# Altium PCB RFM_Temperature_1.0.0.PcbDoc
Units mil, origin at the board's own origin, x right, y up, seen from the top; angles counter-clockwise.
Board outline 826.77 x 3062.99 mil, 2 copper layers (L1, L4), stack 57.952 mil thick; 23 components, 18 nets, 98 pads, 23 vias.
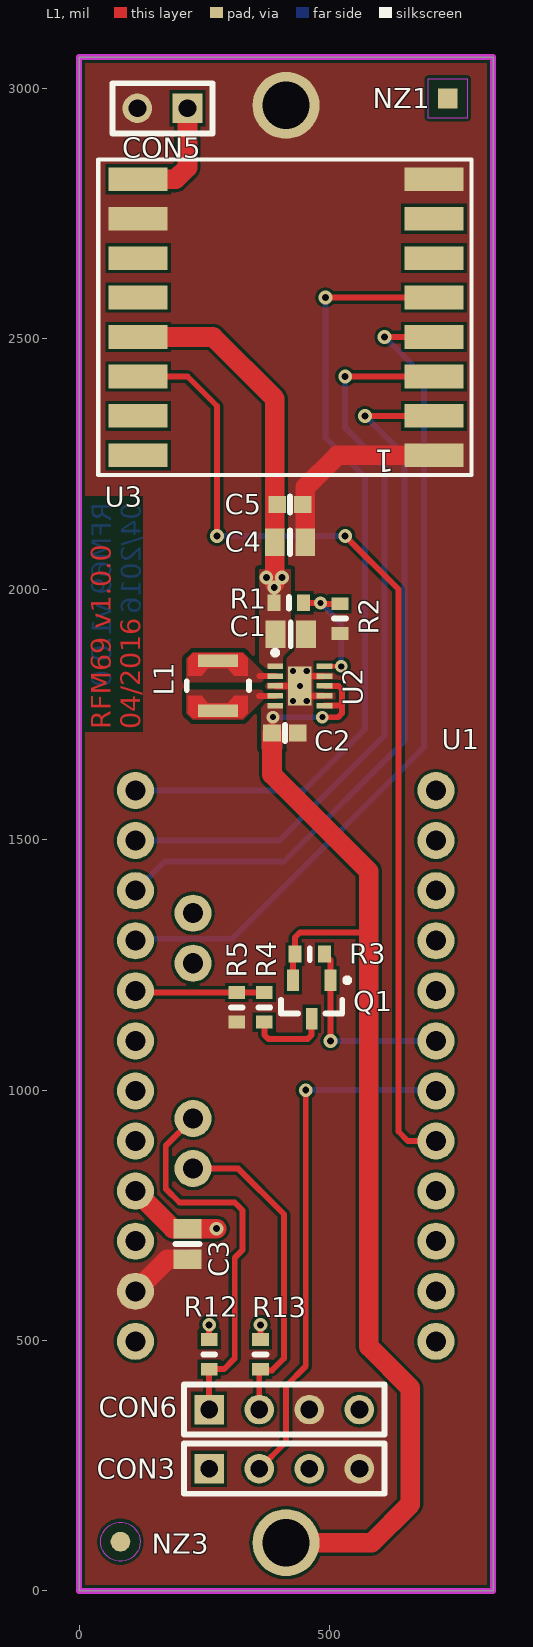
[diagram p0: L1 view]
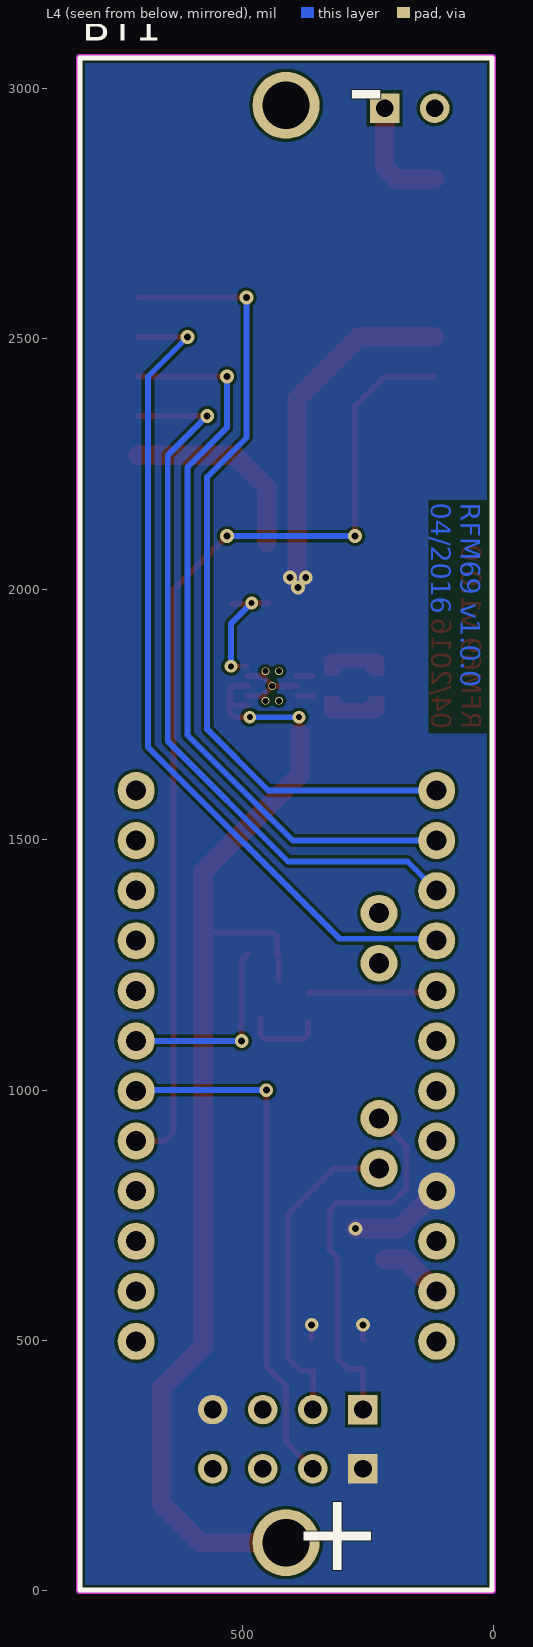
[diagram p1: L4 view, seen from below]
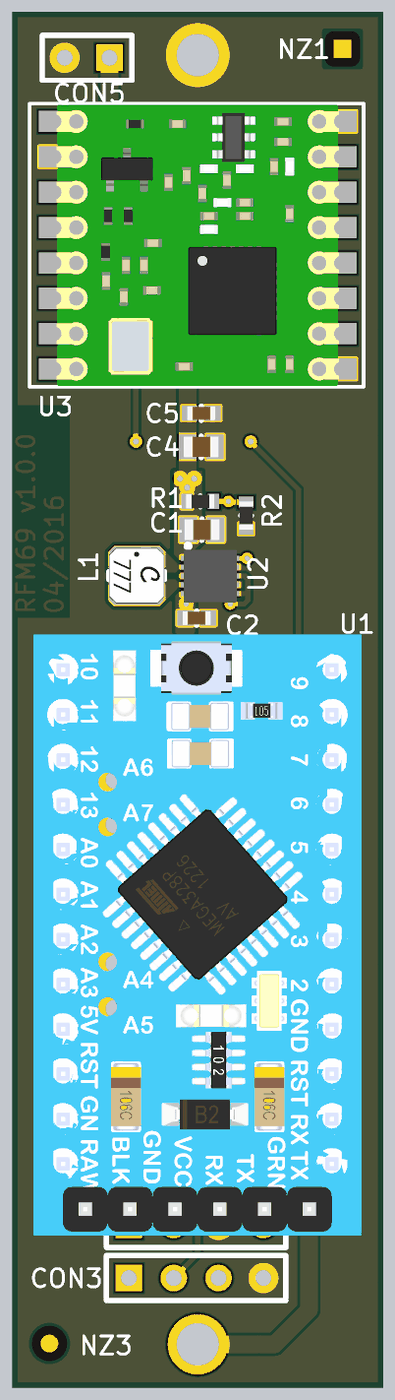
[diagram p2: 3D render of the assembled board from above, using the file's embedded part models]

## Layer stack, top to bottom
Top Solder: solder mask 0.787, Solder Resist, Dk 3.5
L1: signal copper 1.4169
Dielectric 1: core 55.1181, IS400, Dk 4.2
L4: signal copper 1.4169
Bottom Solder: solder mask 0.787, Solder Resist, Dk 3.5

## Board outline
0,0 0,3062.99 826.77,3062.99 826.77,0

## Design rules (kind name [scope] priority, off if disabled: settings)
AssemblyTestPointUsage SilkToBoardRegionClearance_1 [All] p2:
AssemblyTestPointUsage SilkToBoardRegionClearance_2 [All] p3:
Clearance [All] p1: gap=6 except(7.87: Poly-Poly)
ComponentClearance ComponentClearance_Battery [All vs InComponent('BT1')] p1: gap=0 collisioncheckmode=3 verticalgap=0 showdistances=FALSE
ComponentClearance [All] p2: gap=10 collisioncheckmode=3 verticalgap=10 showdistances=FALSE
HoleSize [All] p1: absolutevalues=TRUE maxlimit=250 minlimit=11.81 maxpercent=80.000 minpercent=20.000
MatchedLengths DiffPair_DIFF100MatchedLengths [InDifferentialPairClass('DIFF100')] p1: tolerance=6 checknetsindiffpair=TRUE checkdiffpairvsdiffpair=FALSE checkxsignals=FALSE checkothers=FALSE
MinimumSolderMaskSliver [All] p1: minsoldermaskwidth=3.94
MinimumSolderMaskSliver SilkscreenOverComponentPads_2 [All] p2: minsoldermaskwidth=10
MinimumSolderMaskSliver SilkToSolderMaskClearance_1 [IsPad] p3: minsoldermaskwidth=10
MinimumSolderMaskSliver SilkscreenOverComponentPads_1 [All] p4: minsoldermaskwidth=10
MinimumSolderMaskSliver SilkToSolderMaskClearance [IsPad] p5: minsoldermaskwidth=10
MinimumSolderMaskSliver SilkscreenOverComponentPads [All] p6: minsoldermaskwidth=10
PolygonConnect [All] p1: connectstyle=Direct reliefconductorwidth=10 reliefentries=4 polygonreliefangle="90 Angle" airgapwidth=10
RoutingVias [All] p1: holewidth=12 width=25 viastyle="Through Hole" minholewidth=12 minwidth=25 maxholewidth=28 maxwidth=50
SilkToSolderMaskClearance SilkToSolderMaskClearance_2 [IsPad] p1: minsilkscreentomaskgap=10 clearancetoexposedcopper=TRUE
SolderMaskExpansion [All] p1: expansion=4
Width [All] p1: maxlimit=100 minlimit=6 preferedwidth=10
26 further rules are at their usual default settings.

## Classes and differential pairs
differential pair class DIFF100: CH1_TRX0 CH1_TRX1 CH1_TRX2 CH1_TRX3 CH2_TRX0 CH2_TRX1 CH2_TRX2 CH2_TRX3 CLK1 DRAM_SDCKL0 DRAM_SDCKL1 DRAM_SDQS0 DRAM_SDQS1 DRAM_SDQS2 DRAM_SDQS3 DRAM_SDQS4 DRAM_SDQS5 DRAM_SDQS6 DRAM_SDQS7 HDMI_CLK HDMI_D0 HDMI_D1 HDMI_D2 HDMI_OUT_CLK HDMI_OUT_D0 HDMI_OUT_D1 HDMI_OUT_D2 PCIE_REFCLK
differential pair class DIFF90: PCIE_CRX PCIE_CTX PCIE_RX PCIE_TX USB_HOST_D USB_OTG_D
net class "Power Net": NetL1_1 NetL1_2 VCC_3V3 VCC_BAT

## Components (designator, comment, footprint, x,y, rotation, side; value= is the part's Value field where it differs from the comment)
BT1 "BH-18650" BH18650 413.39,1531.5 r90 bottom locked
C1 "10u/10V" C-0805 422.85,1910.09 r180 top
C2 "2.2uF/16V/X5R" C-0603 411.04,1713.24 r180 top
C3 "10u/10V" C-0805 216.54,692.91 r90 top
C4 "10u/10V" C-0805 421.26,2094.49 r180 top
C5 "100nF/16V" C-0603 421.26,2169.29 r180 top
CON3 "PAD1G04" HDR1X04S 259.84,244.09 r0 top
CON5 "PAD1G02" HDR1X02S 216.54,2960.63 r180 top
CON6 "PAD1G04" HDR1X04S 259.84,362.2 r0 top
L1 "LPS3015-152MRC" LPS3015 277.18,1807.72 r270 top
NZ1 "Fiducial Rectangle" "Fiducial Rectangle" 736.22,2980.31 r0 top
NZ3 "Fiducial Circle" "Fiducial Circle" 82.68,98.43 r90 top
Q1 "FDV304P" SOT23-3L 464.57,1181.1 r270 top
R1 "887k 1%" R-0603 418.92,1973.08 r180 top
R2 "100k 1%" R-0603 521.28,1941.58 r90 top
R3 "100k 1%" R-0603 460.63,1271.65 r180 top
R4 "887k 1%" R-0603 370.08,1165.35 r270 top
R5 "100k 1%" R-0603 314.96,1165.35 r90 top
R12 "2.2k" R-0603 259.84,472.44 r90 top
R13 "2.2k" R-0603 362.2,472.44 r90 top
U1 "Arduino-Pro-Mini" "Arduino Mini Pro" 712.6,1598.43 r180 top locked
U2 "TPS63030DSK" DSK10-2000X1200TP_V 440.94,1807.09 r0 top
U3 "RFM69HCW" RFM69HCW-XXXS2 413.39,2543.31 r180 top locked

## Footprints (in the part's own frame and the unit in brackets; to place one, negate y for a bottom-side part, rotate by r counter-clockwise, add the part's x,y. Pads: shape width x height; smd on the part's side, far side on the other; paste and mask are expansions set on the pad)
"Arduino Mini Pro" [mil]
  round 74 hole 40: 1(0,0) 2(0,100) 3(0,200) 4(0,300) 5(0,400) 6(0,500) 7(0,600) 8(0,700) 9(0,800) 10(0,900) 11(0,1000) 12(0,1100) 19(600,1100) 20(600,1000) 21(600,900) 22(600,800) 23(600,700) 24(600,600) 25(600,500) 26(600,400) 27(600,300) 28(600,200) 29(600,100) 30(600,0) 31(485,755) 32(485,655) 33(485,345) 34(485,245)
  body extent -66,-79 666,1260, height 488
BH18650 [mm]
  round 3.4 hole 2.4 paste-2: 1(-36.45,0) 2(36.45,0)
  silkscreen extent -38.85,-10.45 38.85,10.45
C-0603 [mm]
  rect 0.9x0.85 smd: 1(-0.65,0) 2(0.65,0)
  silkscreen extent 0,-0.4 0,0.4, body extent -0.8,-0.4 0.8,0.4, height 0.8
C-0805 [mm]
  rect 1x1.4 smd: 1(-0.775,0) 2(0.775,0)
  silkscreen extent 0,-0.6 0,0.6, body extent -1,-0.6 1,0.6, height 1.2
DSK10-2000X1200TP_V [mm] "SON, 10-Leads, Body 2.5x2.5mm, Pitch 0.5mm, Thermal Pad 2x1.2 mm"
  rect 0.8x0.28 smd: 1(-1.25,1) 2(-1.25,0.5) 3(-1.25,0) 4(-1.25,-0.5) 5(-1.25,-1) 6(1.25,-1) 7(1.25,-0.5) 8(1.25,0) 9(1.25,0.5) 10(1.25,1)
  rect 1.2x2 smd paste-2: 11(0,0)
  silkscreen extent -1.38,1.57 -1.12,1.82, body extent -1.5,-1.5 1.5,1.5, height 0.9
"Fiducial Circle" [mm]
  round 1 smd paste-0.75 mask+0.5: 0(0,0)
  L1 keep-out region: 0,1 0.434,0.901 0.782,0.623 0.975,0.223 0.975,-0.223 0.782,-0.623 0.434,-0.901 0,-1 0,-1 -0.434,-0.901 -0.782,-0.623 -0.975,-0.223 -0.975,0.223 -0.782,0.623 -0.434,0.901 0,1
"Fiducial Rectangle" [mm]
  rect 1x1 smd paste-0.75 mask+0.5: 0(0,0)
  L1 keep-out region: -1,1 1,1 1,-1 -1,-1
HDR1X02S [mm] "Connector; Header; 2 Position"
  rect 1.5x1.5 hole 0.9: 1(0,0)
  round 1.5 hole 0.9: 2(2.54,0)
  silkscreen extent -1.27,-1.27 3.81,1.27
HDR1X04S [mm] "Connector; Header; 4 Position"
  rect 1.5x1.5 hole 0.9: 1(0,0)
  round 1.5 hole 0.9: 2(2.54,0) 3(5.08,0) 4(7.62,0)
  silkscreen extent -1.27,-1.27 8.89,1.27
LPS3015 [mil]
  rect 25x80 smd: 1(-50,0) 2(50,0)
  L1 region: -65,-50 -55,-60 -20,-60 -20,-32.5 -35,-20 -35,20 -20,32.5 -20,60 -55,60 -65,50
  L1 region: 65,-50 55,-60 20,-60 20,-32.5 35,-20 35,20 20,32.5 20,60 55,60 65,50
  silkscreen extent -9,-62 9,62, body extent -62,-62 62,62, height 59
R-0603 [mm]
  rect 0.65x0.85 smd: 1(-0.75,0) 2(0.75,0)
  silkscreen extent 0,-0.3 0,0.3, body extent -0.8,-0.4 0.8,0.4, height 0.4
RFM69HCW-XXXS2 [mm] "RFM69HCW-XXXS2"
  rect 3x1.2 smd: 1(-7.5,7) 2(-7.5,5) 3(-7.5,3) 4(-7.5,1) 5(-7.5,-1) 6(-7.5,-3) 7(-7.5,-5) 8(-7.5,-7) 9(7.5,-7) 10(7.5,-5) 11(7.5,-3) 12(7.5,-1) 13(7.5,1) 14(7.5,3) 15(7.5,5) 16(7.5,7)
  silkscreen extent -9.4,-8 9.53,8, body extent -8,-7.95 8,7.95, height 2.29
SOT23-3L [mm] "SOT23, 3-Leads, Body 2,90x2,48mm, Pitch 0,95mm, IPC High Density"
  rect 1.1x0.6 smd: 1(-0.975,0.95) 2(-0.975,-0.95) 3(0.975,0)
  silkscreen extent -1.1,-1.55 0.71,1.93, body extent -1.17,-1.46 1.17,1.46, height 1

## Part data
C1 C3 C4: library part CMP-00295-1, "SMD Ceramic Capacitor 0805 10u/10V"
C2: library part CMP-00265-1, "SMD Ceramic Capacitor 0603 2.2uF/16V/X5R"
C5: library part CMP-00250-1, "SMD Ceramic Capacitor 0603 100nF/16V"
CON3 CON6: library part CMP-00006-3, "1x4pin single row pads, 2.54mm"
CON5: library part CMP-00005-1, "1x2pin single row pads, 2.54mm"
L1: library part CMP-00325-2, "Shielded inductor 1.5uH/1.3A 3x3mm"
NZ1: library part CMP-00041-2
NZ3: library part CMP-00042-3
Q1: library part CMP-00186-2, "P-Channel Digital FET 25V, 460mA"
R1 R4: library part CMP-00324-1, "SMD Resistor 0603 887k 1%"
R2 R3 R5: library part CMP-00033-2, "SMD Resistor 0603 100k 1%"
R12 R13: library part CMP-00080-2, "SMD Resistor 0603 2k2"
U2: library part CMP-00323-3, "High Efficient Single Inductor Buck-Boost Converter with 1-A Switches"

## Via types
v1: diameter 27.56, hole 13.78, L1 to L4, 14 vias
v2: diameter 15.75, hole 12.01, L1 to L4, 5 vias
v3: diameter 25.59, hole 12.01, L1 to L4, 4 vias

## Nets (pads, with @x,y where several pads share a name; then routed paths per layer and width w, separated by ;. In a path a pad name is that pad's centre, name@x,y a point inside that pad or via, vN(x,y) a via of type N, cw(c..) or ccw(c..) an arc to the next point about the centre after c; other vN are vias at no path point)
ADC: R4.1 R5.2 U1.26 | length 258.9
  L1 w11.81: U1.26 116.14,1194.88 R5.2 R4.1
GND: BT1.2 C1.1 C2.1 C3.1 C4.1 C5.1 CON3.4 CON5.2 CON6.3 R2.1 R5.1 U1.20 U2.3 U2.7 U2.9 U2.11 U3.1 U3.8 U3.10 | length 687
  L1 w11.81: U2.3 v2(440.94,1807.09) ; U2.7 460.63,1787.4 v2(440.94,1807.09) ; U2.9 460.63,1826.77 v2(440.94,1807.09)
  L1 w39.37: U1.20 176.57,662.4 C3.1 ; C4.1 451.77,2203.74 515.75,2267.72 U3.1
  other v2: 427.17,1777.56 454.72,1777.56 427.17,1836.61 454.72,1836.61
MEAS_EN: Q1.1 R3.1 U1.6 | length 388.8
  L1 w11.81: R3.1 501.97,1259.84 Q1.1 v1(501.97,1098.43)
  L4 w11.81: v1(501.97,1098.43) U1.6
NetCON5_1: CON5.1 U3.9 | length 226.3
  L1 w39.37: U3.9 192.91,2818.9 216.54,2842.52 CON5.1
NetL1_1: L1.1 U2.2 | length 31.2
  L1 w11.81: 360.5,1826.77 U2.2
NetL1_2: L1.2 U2.4 | length 32.5
  L1 w11.81: 359.22,1787.4 U2.4
NetQ1_3: Q1.3 R4.2 | length 159.1
  L1 w11.81: R4.2 370.08,1110.24 377.95,1102.36 456.69,1102.36 464.57,1110.24 Q1.3
NetR1_1: R1.1 R2.2 U2.10 | length 251
  L1 w9.84: U2.10 v3(523.62,1846.46)
  L1 w11.81: R1.1 v3(481.91,1973.08) 483.88,1971.11 R2.2
  L4 w11.81: v3(481.91,1973.08) 523.62,1931.36 v3(523.62,1846.46)
RFM_INT: U1.8 U3.14 | length 2013.3
  L1 w11.81: U3.14 216.54,2425.2 275.59,2366.14 v1(275.59,2106.3) ; v1(531.5,2106.3) 637.8,2000 637.8,917.32 656.69,898.43 U1.8
  L4 w11.81: v1(275.59,2106.3) v1(531.5,2106.3)
RFM_MISO: U1.28 U3.2 | length 1480.6
  L1 w11.81: v1(570.87,2346.46) U3.2
  L4 w11.81: U1.28 170.87,1456.69 409.45,1456.69 649.61,1696.85 649.61,2267.72 v1(570.87,2346.46)
RFM_MOSI: U1.29 U3.3 | length 1511
  L1 w11.81: v1(531.5,2425.2) U3.3
  L4 w11.81: U1.29 400,1498.43 610.24,1708.66 610.24,2244.09 531.5,2322.83 v1(531.5,2425.2)
RFM_MSCL: U1.27 U3.4 | length 1688.7
  L1 w11.81: v1(610.24,2503.94) U3.4
  L4 w11.81: U1.27 112.6,1302.33 306.27,1302.33 688.98,1685.04 688.98,2425.2 v1(610.24,2503.94)
RFM_NSS: U1.30 U3.5 | length 1620.2
  L1 w11.81: v1(492.13,2582.68) U3.5
  L4 w11.81: U1.30 448.82,1598.43 570.87,1720.47 570.87,2224.41 492.13,2303.15 v1(492.13,2582.68)
SCL: CON6.2 R13.1 U1.31 | length 645
  L1 w11.81: U1.31 317.99,843.43 409.45,751.97 409.45,464.57 385.43,440.55 359.84,440.55 CON6.2
SDA: CON6.1 R12.1 U1.32 | length 776.9
  L1 w11.81: U1.32 173.23,889.06 173.23,803.15 200.79,775.59 311.02,775.59 326.77,759.84 326.77,681.1 311.02,665.35 311.02,464.57 289.37,442.91 R12.1 CON6.1
TEMP_HUM: CON3.2 U1.7 | length 1054.9
  L1 w11.81: CON3.2 413.39,297.64 413.39,409.45 452.76,448.82 v1(452.76,1000)
  L4 w11.81: v1(452.76,1000) 711.02,1000 U1.7
VCC_3V3: C1.2 C3.2 C4.2 C5.2 CON3.1 CON6.4 R1.2 R12.2 R13.2 U1.22 U2.1 U3.13 | length 943.8
  L1 w11.81: R12.2 v1(259.84,531.5) ; R13.2 v1(362.2,531.5)
  L1 w39.37: U1.22 187.6,723.43 C3.2 v1(274.61,723.43) ; U3.13 267.72,2503.94 390.75,2380.91 C4.2 v1@390.75,2012.8
  other v1: 389.76,2003.94 374.02,2023.62 405.51,2023.62
VCC_BAT: BT1.1 C2.2 Q1.2 R3.2 U2.5 U2.6 U2.8 | length 2434.8
  L1 w11.81: Q1.2 427.17,1267.72 R3.2 431.1,1305.12 440.94,1314.96 578.74,1314.96 ; v3(485.84,1744.73) 517.34,1744.73 525.21,1752.61 525.21,1768.35 ; U2.6 524.58,1767.72 525.21,1768.35 ; U2.8 517.98,1807.09 525.21,1799.85 525.21,1768.35
  L1 w39.37: C2.2 385.45,1630.3 578.74,1437.01 578.74,1314.96 578.74,488.19 661.42,405.51 661.42,173.23 584.65,96.46 BT1.1
  L4 w11.81: v3(387.42,1744.73) v3(485.84,1744.73)
pads on no net: CON3.3 NZ1.0 NZ3.0 U1.1 U1.2 U1.3 U1.4 U1.5 U1.9 U1.10 U1.11 U1.12 U1.19 U1.21 U1.23 U1.24 U1.25 U1.33 U1.34 U3.6 U3.7 U3.11 U3.12 U3.15 U3.16

## Polygon pours and split planes (outlines as drawn)
GND on L1 "L01_GND_P026" (solid, pour order 26): 0,0 826.77,0 826.77,3062.99 0,3062.99
GND on L1 "L01_GND_P014" (solid, pour order 14): 466.16,1681.74 462.22,1677.8 418.92,1677.8 414.98,1681.74 414.98,1847.09 414.98,1862.84 430.73,1878.59 430.73,1941.58 438.6,1949.46 556.71,1949.46 564.58,1941.58 564.58,1890.4 560.65,1886.46 501.59,1886.46 497.66,1886.46 466.16,1854.97
VCC_3V3 on L1 "L01_VCC_3V3_P016" (solid, pour order 16): 407.1,1843.16 407.1,1862.84 418.92,1874.65 422.85,1878.59 422.85,1914.02 422.85,2040.01 359.86,2040.01 359.86,1854.97 371.67,1843.16
NetL1_2 on L1 "L01_NETL1_2_P020" (solid, pour order 20): 367.73,1779.34 367.73,1799.85 227.28,1799.85 214.19,1799.85 214.19,1786.76 214.19,1752.61 227.28,1739.52 327.91,1739.52
VCC_BAT on L1 "L01_VCC_BAT_P024" (solid, pour order 24): 407.1,1772.29 407.1,1681.74 403.17,1677.8 367.73,1677.8 363.8,1681.74 363.8,1764.42 371.67,1772.29
NetL1_1 on L1 "L01_NETL1_1_P022" (solid, pour order 22): 367.73,1834.83 367.73,1814.32 227.28,1814.32 214.19,1814.32 214.19,1827.41 214.19,1861.57 227.28,1874.65 327.91,1874.65
VCC_3V3 on L4 "L02_VCC_3V3_P028" (solid, pour order 28): 0,0 826.77,0 826.77,3062.99 0,3062.99

## Keep-outs
Keep-Out Layer:
  the board outline again, w11.81

## Other copper
L1:
  text "RFM69 v1.0.0 / 04/2016" at 122.05,1720.47 h39.37 r90
L4:
  text "RFM69 v1.0.0 / 04/2016" at 123.64,2173.23 h39.37 r90

## Text inside footprints (layer, text, board x,y; h text height)
BT1: Bottom Overlay "-" at 214.57,3047.24 h157.48 r180; Bottom Overlay "+" at 220.47,177.17 h157.48 r180; Mechanical 14 "+" at 220.47,177.17 h157.48 r180; Mechanical 14 "-" at 214.57,3047.24 h157.48 r180
U3: Mechanical 13 "1" at 629.33,2293.31 h77.5 r180; Top Overlay "1" at 629.33,2293.31 h77.5 r180